# Altium PCB S6.PcbDoc (part 3 of 14)
Units mil, origin at the board's own origin, x right, y up, seen from the top; angles counter-clockwise.
Board outline 5250 x 2929.55 mil, 6 copper layers (Top Layer, Mid-Layer 2, Mid-Layer 4, Mid-Layer 3, Mid-Layer 1, Bottom Layer); 345 components, 365 nets, 2233 pads, 960 vias.
Unrouted connection lines stored in the file: 1.
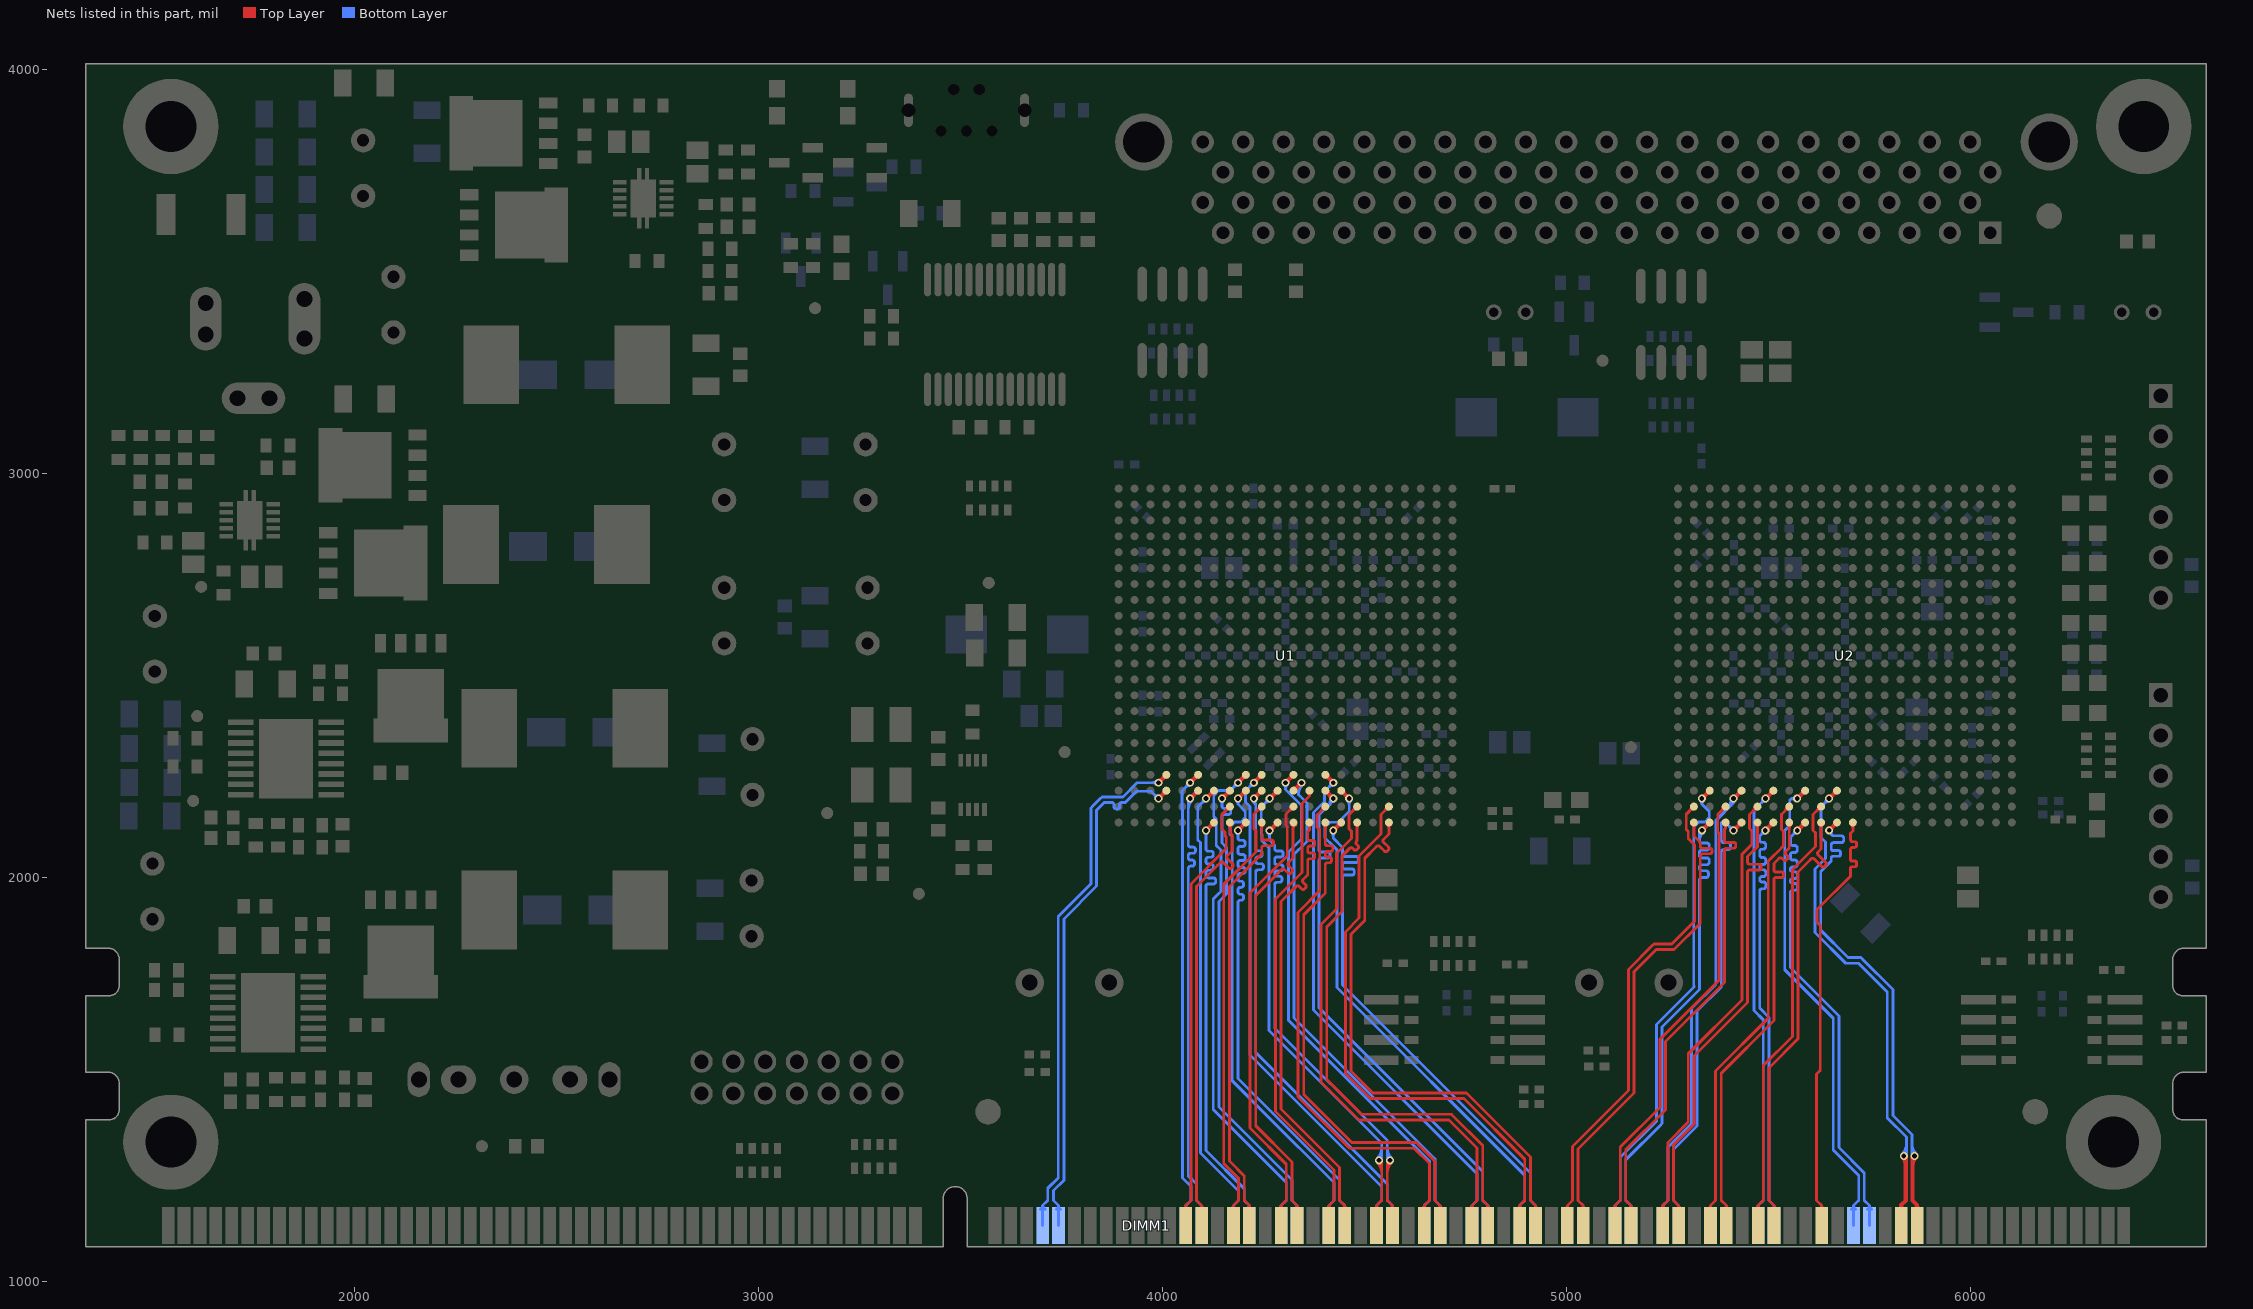
[diagram p7: the nets of this part, all layers, seen from the top]

## Via types
v1: diameter 19.68, hole 11.81, Top Layer to Bottom Layer, tented both sides, 469 vias
v2: diameter 32, hole 18, Top Layer to Bottom Layer, tented both sides, 257 vias
v3: diameter 22, hole 12, Top Layer to Bottom Layer, tented both sides, 185 vias
v4: diameter 25.59, hole 12.99, Top Layer to Bottom Layer, tented bottom, 16 vias
v5: diameter 50, hole 28, Top Layer to Bottom Layer, tented both sides, 15 vias
v6: diameter 23.62, hole 11.81, Top Layer to Bottom Layer, tented bottom, 10 vias
v7: diameter 20, hole 12, Top Layer to Bottom Layer, tented both sides, 5 vias
v8: diameter 21.65, hole 11.81, Top Layer to Bottom Layer, tented both sides, 2 vias
v9: diameter 39.37, hole 39.37, Top Layer to Bottom Layer, 1 vias

## Nets (pads, with @x,y where several pads share a name; then routed paths per layer and width w, separated by ;. In a path a pad name is that pad's centre, name@x,y a point inside that pad or via, vN(x,y) a via of type N, cw(c..) or ccw(c..) an arc to the next point about the centre after c; other vN are vias at no path point) (continued)
DIMM_FPGA1_6_N: DIMM1.185 U1.AB7 | length 1222.9
  Top Layer w10: v1(4108,2116.78) U1.AB7@4127.83,2136.61 ; v1@4108,2121.62 ccw(c4108,2133.31) 4116.27,2125.05 ccw(c4124.53,2116.78) v1@4112.84,2116.78 ; U1.AB7@4122.99,2136.61 cw(c4111.3,2136.61) 4119.57,2128.35 cw(c4127.83,2120.08) U1.AB7@4127.83,2131.77
  Bottom Layer w7: v1@4103.52,2112.29 cw(c4092.69,2101.47) 4108,2101.47 cw(c4123.31,2101.47) v1@4112.48,2112.29 ; v1(4108,2116.78) 4108,2073 4108,2071.5 ccw(c4114,2071.5) 4114,2065.5 4120,2065.5 cw(c4120,2059.5) 4126,2059.5 4126,2056.5 cw(c4120,2056.5) 4120,2050.5 4114,2050.5 ccw(c4114,2044.5) 4108,2044.5 4108,2041 4108,2039.5 ccw(c4114,2039.5) 4114,2033.5 4120,2033.5 cw(c4120,2027.5) 4126,2027.5 4126,2024.5 cw(c4120,2024.5) 4120,2018.5 4114,2018.5 ccw(c4114,2012.5) 4108,2012.5 4108,2007 4108,2005.5 ccw(c4114,2005.5) 4114,1999.5 4126.11,1999.5 cw(c4126.11,1993.5) 4132.11,1993.5 4132.11,1990.5 cw(c4126.11,1990.5) 4126.11,1984.5 4114,1984.5 ccw(c4114,1978.5) 4108,1978.5 4108,1975 4108,1324.41 4202.61,1229.8 4202.61,1200.68 4215.3,1188 ; DIMM1.185@4209.8,1179.07 ccw(c4205.3,1188) 4215.3,1188 ; DIMM1.185@4215.3,1138.6 4215.3,1188 ; DIMM1.185@4220.8,1179.07 cw(c4225.3,1188) 4215.3,1188
DIMM_FPGA1_6_P: DIMM1.184 U1.Y7 | length 1223.3
  Top Layer w10: v1(4108.15,2195.67) U1.Y7@4127.83,2215.35 ; v1@4108.15,2200.51 ccw(c4108.15,2212.2) 4116.42,2203.94 ccw(c4124.68,2195.67) v1@4112.99,2195.67 ; U1.Y7@4122.99,2215.35 cw(c4111.3,2215.35) 4119.57,2207.09 cw(c4127.83,2198.82) U1.Y7@4127.83,2210.51
  Bottom Layer w7: v1@4101.81,2195.67 cw(c4086.49,2195.67) 4097.32,2184.84 cw(c4108.15,2174.01) v1@4108.15,2189.33 ; v1(4108.15,2195.67) 4087.66,2175.18 4087.66,2093.34 4094,2087 4094,1318.62 4188.61,1224 4188.61,1200.68 4175.93,1188 ; DIMM1.184@4170.43,1179.07 ccw(c4165.93,1188) 4175.93,1188 ; DIMM1.184@4175.93,1138.6 4175.93,1188 ; DIMM1.184@4181.43,1179.07 cw(c4185.93,1188) 4175.93,1188
DIMM_FPGA1_7_N: DIMM1.62 U1.AB8 | length 1137.1
  Top Layer w7: DIMM1.62@4091.69,1179.07 ccw(c4087.19,1188) 4097.19,1188 ; DIMM1.62@4097.19,1138.6 4097.19,1188 ; DIMM1.62@4102.69,1179.07 cw(c4107.19,1188) 4097.19,1188 ; U1.AB8@4162.72,2132.13 cw(c4148.39,2117.79) 4168.66,2117.79 ; U1.AB8@4167.2,2136.61 4168.66,2135.16 4168.66,2109.44 4172,2106.1 4172,2087 4172,2080 4172,2066 4167.05,2061.05 4160.62,2054.62 ccw(c4164.08,2051.15) 4160.62,2047.69 4174.16,2034.14 cw(c4170.7,2030.67) 4174.16,2027.21 4171.19,2024.24 cw(c4167.73,2027.71) 4164.26,2024.24 4150.72,2037.79 ccw(c4147.25,2034.32) 4143.79,2037.79 4136.5,2030.5 4084.51,1978.51 4084.51,1200.68 4097.19,1188 ; 4168.66,2124.81 cw(c4179.01,2124.81) U1.AB8@4171.69,2132.13
DIMM_FPGA1_7_P: DIMM1.61 U1.AA8 | length 1138
  Top Layer w7: DIMM1.61@4052.32,1179.07 ccw(c4047.82,1188) 4057.82,1188 ; DIMM1.61@4057.82,1138.6 4057.82,1188 ; DIMM1.61@4063.32,1179.07 cw(c4067.82,1188) 4057.82,1188 ; U1.AA8@4160.86,2175.98 cw(c4145.55,2175.98) 4156.38,2165.16 cw(c4167.2,2154.33) U1.AA8@4167.2,2169.64 ; U1.AA8@4167.2,2175.98 4147,2155.78 4147,2120.66 4154.66,2113 4154.66,2103.64 4158,2100.3 4158,2071.8 4070.51,1984.3 4070.51,1200.68 4057.82,1188
DIMM_FPGA1_8_N: DIMM1.191 U1.AB9 | length 1312.8
  Top Layer w10: v1(4187,2117.04) U1.AB9@4206.57,2136.61 ; v1@4187,2121.88 ccw(c4187,2133.57) 4195.27,2125.31 ccw(c4203.53,2117.04) v1@4191.84,2117.04 ; U1.AB9@4201.73,2136.61 cw(c4190.04,2136.61) 4198.31,2128.35 cw(c4206.57,2120.08) U1.AB9@4206.57,2131.77
  Bottom Layer w7: v1@4182.52,2112.55 cw(c4171.69,2101.73) 4187,2101.73 cw(c4202.31,2101.73) v1@4191.48,2112.55 ; 4187,1968.25 4187,1966.5 ; v1(4187,2117.04) 4187,2100 4187,2098.5 ccw(c4193,2098.5) 4193,2092.5 4199,2092.5 cw(c4199,2086.5) 4205,2086.5 4205,2083.5 cw(c4199,2083.5) 4199,2077.5 4193,2077.5 ccw(c4193,2071.5) 4187,2071.5 4187,2065 4187,2063.5 ccw(c4193,2063.5) 4193,2057.5 4199,2057.5 cw(c4199,2051.5) 4205,2051.5 4205,2048.5 cw(c4199,2048.5) 4199,2042.5 4193,2042.5 ccw(c4193,2036.5) 4187,2036.5 4187,2033 4187,2031.5 ccw(c4193,2031.5) 4193,2025.5 4199,2025.5 cw(c4199,2019.5) 4205,2019.5 4205,2016.5 cw(c4199,2016.5) 4199,2010.5 4193,2010.5 ccw(c4193,2004.5) 4187,2004.5 4187,1997 ccw(c4193,1997) 4193,1991 4195,1991 cw(c4195,1985) 4201,1985 4201,1982 cw(c4195,1982) 4195,1976 4193,1976 ccw(c4193,1970) 4187,1970 4187,1966.5 ; DIMM1.191@4446.02,1179.07 ccw(c4441.52,1188) 4451.52,1188 ; DIMM1.191@4451.52,1138.6 4451.52,1188 ; DIMM1.191@4457.02,1179.07 cw(c4461.52,1188) 4451.52,1188 ; 4187,1966.5 4187,1965 ccw(c4193,1965) 4193,1959 4195,1959 cw(c4195,1953) 4201,1953 4201,1950 cw(c4195,1950) 4195,1944 4193,1944 ccw(c4193,1938) 4187,1938 4187,1925 4187,1502.8 4438.84,1250.96 4438.84,1200.68 4451.52,1188
DIMM_FPGA1_8_P: DIMM1.190 U1.Y9 | length 1308
  Top Layer w10: v1(4186.89,2195.67) U1.Y9@4206.57,2215.35 ; v1@4186.89,2200.51 ccw(c4186.89,2212.2) 4195.16,2203.94 ccw(c4203.42,2195.67) v1@4191.73,2195.67 ; U1.Y9@4201.73,2215.35 cw(c4190.04,2215.35) 4198.31,2207.09 cw(c4206.57,2198.82) U1.Y9@4206.57,2210.51
  Bottom Layer w7: v1@4182.86,2190.77 cw(c4175.84,2182.24) 4186.89,2182.24 ; v1(4186.89,2195.67) 4186.89,2182.24 ; v1@4190.92,2190.77 ccw(c4197.94,2182.24) 4186.89,2182.24 ; DIMM1.190@4406.65,1179.07 ccw(c4402.15,1188) 4412.15,1188 ; DIMM1.190@4412.15,1138.6 4412.15,1188 ; DIMM1.190@4417.65,1179.07 cw(c4422.15,1188) 4412.15,1188 ; 4186.89,2182.24 4205.23,2163.9 4205.23,2148.7 4194.49,2137.96 4179.15,2137.96 4166.66,2125.47 4166.66,2108.61 4173,2102.27 4173,1497 4252,1418 4424.84,1245.16 4424.84,1200.68 4412.15,1188
DIMM_FPGA1_9_N: DIMM1.65 U1.AB10 | length 1147.1
  Top Layer w7: DIMM1.65@4209.8,1179.07 ccw(c4205.3,1188) 4215.3,1188 ; DIMM1.65@4215.3,1138.6 4215.3,1188 ; DIMM1.65@4220.8,1179.07 cw(c4225.3,1188) 4215.3,1188 ; U1.AB10@4241.46,2132.13 cw(c4230.63,2121.3) 4245.94,2121.3 cw(c4261.26,2121.3) U1.AB10@4250.43,2132.13 ; U1.AB10@4245.94,2136.61 4245.94,2131.3 4245.94,2097.84 ccw(c4250.84,2097.84) 4250.84,2092.94 4269.98,2092.94 cw(c4269.98,2088.04) 4274.88,2088.04 4274.88,2083.84 cw(c4269.98,2083.84) 4269.98,2078.94 4250.84,2078.94 ccw(c4250.84,2074.04) 4245.94,2074.04 4245.94,2064.94 4245.94,2057.94 4238.35,2050.35 4228.45,2040.45 4223.5,2035.5 4166,1978 4166,1298 4202.61,1261.38 4202.61,1200.68 4215.3,1188
DIMM_FPGA1_9_P: DIMM1.64 U1.AA10 | length 1147.8
  Top Layer w7: DIMM1.64@4170.43,1179.07 ccw(c4165.93,1188) 4175.93,1188 ; DIMM1.64@4175.93,1138.6 4175.93,1188 ; DIMM1.64@4181.43,1179.07 cw(c4185.93,1188) 4175.93,1188 ; U1.AA10@4239.6,2175.98 cw(c4224.29,2175.98) 4235.12,2165.16 cw(c4245.94,2154.33) U1.AA10@4245.94,2169.64 ; U1.AA10@4245.94,2175.98 4226,2156.04 4226,2121.94 4231.94,2116 4231.94,2063.74 4152,1983.8 4152,1292.2 4188.61,1255.59 4188.61,1200.68 4175.93,1188
DIMM_FPGA1_10_N: DIMM1.74 U1.AB11 | length 1399.5
  Top Layer w7: 4556.94,1269.38 cw(c4593.91,1269.38) v1@4567.77,1295.52 ; 4556.95,1286.28 cw(c4577.01,1286.28) v1@4562.82,1300.46 ; v1(4563.29,1300) 4556.94,1293.66 4556.94,1200.68 4569.63,1188 ; DIMM1.74@4564.13,1179.07 ccw(c4559.63,1188) 4569.63,1188 ; DIMM1.74@4569.63,1138.6 4569.63,1188 ; DIMM1.74@4575.13,1179.07 cw(c4579.63,1188) 4569.63,1188
  Top Layer w10: v1(4265,2116.3) U1.AB11@4285.31,2136.61 ; v1@4265,2121.14 ccw(c4265,2132.83) 4273.27,2124.57 ccw(c4281.53,2116.3) v1@4269.84,2116.3 ; U1.AB11@4280.47,2136.61 cw(c4268.78,2136.61) 4277.05,2128.35 cw(c4285.31,2120.08) U1.AB11@4285.31,2131.77
  Bottom Layer w7: v1@4260.52,2111.81 cw(c4249.93,2101.23) 4264.9,2101.23 ; 4264.9,2100.74 cw(c4280.55,2100.74) v1@4269.48,2111.81 ; v1(4265,2116.3) 4264.9,2116.2 4264.9,2092.9 4278,2079.8 4278,2072.3 ccw(c4284,2072.3) 4284,2066.3 4293,2066.3 cw(c4293,2060.3) 4299,2060.3 4299,2057.3 cw(c4293,2057.3) 4293,2051.3 4284,2051.3 ccw(c4284,2045.3) 4278,2045.3 4278,2038 ccw(c4284,2038) 4284,2032 4293,2032 cw(c4293,2026) 4299,2026 4299,2023 cw(c4293,2023) 4293,2017 4284,2017 ccw(c4284,2011) 4278,2011 4278,2009.5 ccw(c4284,2009.5) 4284,2003.5 4289.98,2003.5 cw(c4289.98,1997.5) 4295.98,1997.5 4295.98,1994.5 cw(c4289.98,1994.5) 4289.98,1988.5 4284,1988.5 ccw(c4284,1982.5) 4278,1982.5 4278,1976 4278,1627.74 4556.94,1348.8 4556.94,1306.34 v1(4563.29,1300) ; 4556.95,1313.72 ccw(c4577.01,1313.72) v1@4562.82,1299.54 ; 4556.94,1330.62 ccw(c4593.91,1330.62) v1@4567.77,1304.48
DIMM_FPGA1_10_P: DIMM1.73 U1.Y11 | length 1400.1
  Top Layer w7: DIMM1.73@4524.76,1179.07 ccw(c4520.26,1188) 4530.26,1188 ; DIMM1.73@4530.26,1138.6 4530.26,1188 ; v1@4532.12,1295.52 cw(c4505.98,1269.38) 4542.94,1269.38 ; DIMM1.73@4535.76,1179.07 cw(c4540.26,1188) 4530.26,1188 ; v1(4536.6,1300) 4542.94,1293.66 4542.94,1200.68 4530.26,1188 ; v1@4537.07,1300.46 cw(c4522.88,1286.28) 4542.94,1286.28
  Top Layer w10: v1(4265.63,2195.67) U1.Y11@4285.31,2215.35 ; v1@4265.63,2200.51 ccw(c4265.63,2212.2) 4273.9,2203.94 ccw(c4282.16,2195.67) v1@4270.47,2195.67 ; U1.Y11@4280.47,2215.35 cw(c4268.78,2215.35) 4277.05,2207.09 cw(c4285.31,2198.82) U1.Y11@4285.31,2210.51
  Bottom Layer w7: v1@4259.29,2195.67 cw(c4243.98,2195.67) 4254.8,2184.84 cw(c4265.63,2174.01) v1@4265.63,2189.33 ; v1(4265.63,2195.67) 4244.66,2174.7 4244.66,2107.87 4246.52,2106.02 4246.52,2091.48 4264,2074 4264,1621.94 4542.94,1343 4542.94,1306.34 v1(4536.6,1300) ; v1@4532.12,1304.48 ccw(c4505.98,1330.62) 4542.94,1330.62 ; v1@4537.07,1299.54 ccw(c4522.88,1313.72) 4542.94,1313.72
DIMM_FPGA1_11_N: DIMM1.68 U1.AB12 | length 1172.1
  Top Layer w7: U1.AB12@4320.2,2132.13 cw(c4312.61,2124.54) 4323.34,2124.54 ; 4323.34,2118.06 cw(c4343.24,2118.06) U1.AB12@4329.17,2132.13 ; DIMM1.68@4327.91,1179.07 ccw(c4323.41,1188) 4333.41,1188 ; U1.AB12@4331,2130.3 U1.AB12@4324.69,2136.61 4321.61,2133.54 4323.34,2131.82 4323.34,2048.34 4318.39,2043.39 4311.96,2036.96 ccw(c4315.42,2033.49) 4311.96,2030.03 4320.87,2021.12 cw(c4317.41,2017.65) 4320.87,2014.19 4317.9,2011.22 cw(c4314.44,2014.68) 4310.97,2011.22 4302.06,2020.13 ccw(c4298.59,2016.66) 4295.13,2020.13 4283.5,2008.5 4231,1956 4231,1385.8 4320.73,1296.07 4320.73,1200.68 4333.41,1188 ; DIMM1.68@4333.41,1138.6 4333.41,1188 ; DIMM1.68@4338.91,1179.07 cw(c4343.41,1188) 4333.41,1188
DIMM_FPGA1_11_P: DIMM1.67 U1.AA12 | length 1173
  Top Layer w7: DIMM1.67@4288.54,1179.07 ccw(c4284.04,1188) 4294.04,1188 ; DIMM1.67@4294.04,1138.6 4294.04,1188 ; DIMM1.67@4299.54,1179.07 cw(c4304.04,1188) 4294.04,1188 ; U1.AA12@4318.34,2175.98 cw(c4303.03,2175.98) 4313.86,2165.16 cw(c4324.69,2154.33) U1.AA12@4324.69,2169.64 ; U1.AA12@4324.69,2175.98 4306.34,2157.64 4306.34,2129.02 4309.34,2126.02 4309.34,2054.14 4217,1961.8 4217,1380 4306.73,1290.28 4306.73,1200.68 4294.04,1188
DIMM_FPGA1_12_N: DIMM1.71 U1.AB13 | length 1222.1
  Top Layer w7: U1.AB13@4359.57,2132.13 cw(c4348.74,2121.3) 4364.06,2121.3 cw(c4379.37,2121.3) U1.AB13@4368.54,2132.13 ; U1.AB13@4364.06,2136.61 4364.06,2118.06 4359.71,2113.71 4359.71,2099 4359.71,2096.9 ccw(c4364.61,2096.9) 4364.61,2092 4372.53,2092 cw(c4372.53,2087.1) 4377.43,2087.1 4377.43,2082.9 cw(c4372.53,2082.9) 4372.53,2078 4364.61,2078 ccw(c4364.61,2073.1) 4359.71,2073.1 4359.71,2068 4359.71,2065.9 ccw(c4364.61,2065.9) 4364.61,2061 4372.53,2061 cw(c4372.53,2056.1) 4377.43,2056.1 4377.43,2051.9 cw(c4372.53,2051.9) 4372.53,2047 4364.61,2047 ccw(c4364.61,2042.1) 4359.71,2042.1 4359.71,2039 4359.71,2006.91 4354.76,2001.96 4348.33,1995.53 ccw(c4351.79,1992.06) 4348.33,1988.6 4354.87,1982.06 cw(c4351.4,1978.59) 4354.87,1975.13 4351.9,1972.16 cw(c4348.43,1975.62) 4344.97,1972.16 4338.43,1978.7 ccw(c4334.96,1975.24) 4331.5,1978.7 4294,1941.2 4294,1426.8 4438.84,1281.96 4438.84,1200.68 4451.52,1188 ; DIMM1.71@4446.02,1179.07 ccw(c4441.52,1188) 4451.52,1188 ; DIMM1.71@4451.52,1138.6 4451.52,1188 ; DIMM1.71@4457.02,1179.07 cw(c4461.52,1188) 4451.52,1188
DIMM_FPGA1_12_P: DIMM1.70 U1.Y13 | length 1218.4
  Top Layer w7: U1.Y13@4360.03,2210.46 cw(c4353.01,2201.93) 4364.06,2201.93 cw(c4375.1,2201.93) U1.Y13@4368.08,2210.46 ; U1.Y13@4364.06,2215.35 4364.06,2201.92 4345.71,2183.58 4345.71,2012.71 4280,1947 4280,1421 4424.84,1276.16 4424.84,1200.68 4412.15,1188 ; DIMM1.70@4406.65,1179.07 ccw(c4402.15,1188) 4412.15,1188 ; DIMM1.70@4412.15,1138.6 4412.15,1188 ; DIMM1.70@4417.65,1179.07 cw(c4422.15,1188) 4412.15,1188
DIMM_FPGA1_13_N: DIMM1.173 U1.Y4 | length 1390.4
  Top Layer w10: v1(3990.04,2195.67) U1.Y4@4009.72,2215.35 ; v1@3990.04,2200.51 ccw(c3990.04,2212.2) 3998.31,2203.94 ccw(c4006.57,2195.67) v1@3994.88,2195.67 ; U1.Y4@4004.88,2215.35 cw(c3993.19,2215.35) 4001.46,2207.09 cw(c4009.72,2198.82) U1.Y4@4009.72,2210.51
  Bottom Layer w7: DIMM1.173@3737.36,1179.07 ccw(c3732.86,1188) 3742.86,1188 ; DIMM1.173@3742.86,1138.6 3742.86,1188 ; DIMM1.173@3748.36,1179.07 cw(c3752.86,1188) 3742.86,1188 ; v1@3983.7,2195.67 ccw(c3968.38,2195.67) 3979.21,2206.5 ccw(c3990.04,2217.32) v1@3990.04,2202.01 ; v1(3990.04,2195.67) 3971.7,2214.01 3936.01,2214.01 3908,2186 3899.6,2186 ccw(c3899.6,2180.4) 3894,2180.4 3894,2175.95 cw(c3888.4,2175.95) 3888.4,2170.35 3885.6,2170.35 cw(c3885.6,2175.95) 3880,2175.95 3880,2180.4 ccw(c3874.4,2180.4) 3874.4,2186 3856,2186 3837,2167 3837,1979 3756,1898 3756,1250.83 3730.18,1225 3730.18,1200.68 3742.86,1188
DIMM_FPGA1_13_P: DIMM1.172 U1.W4 | length 1387.2
  Top Layer w10: v1(3990.04,2235.04) U1.W4@4009.72,2254.72 ; v1@3990.04,2239.88 ccw(c3990.04,2251.57) 3998.31,2243.31 ccw(c4006.57,2235.04) v1@3994.88,2235.04 ; U1.W4@4004.88,2254.72 cw(c3993.19,2254.72) 4001.46,2246.46 cw(c4009.72,2238.19) U1.W4@4009.72,2249.88
  Bottom Layer w7: DIMM1.172@3697.99,1179.07 ccw(c3693.49,1188) 3703.49,1188 ; DIMM1.172@3703.49,1138.6 3703.49,1188 ; DIMM1.172@3708.99,1179.07 cw(c3713.49,1188) 3703.49,1188 ; v1@3985.55,2230.55 ccw(c3974.73,2219.73) 3974.73,2235.04 ccw(c3974.73,2250.35) v1@3985.55,2239.52 ; v1(3990.04,2235.04) 3937.24,2235.04 3902.2,2200 3850.2,2200 3846.1,2195.9 3827.1,2176.9 3823,2172.8 3823,1984.8 3742,1903.8 3742,1256.62 3716.18,1230.8 3716.18,1200.68 3703.49,1188
DIMM_FPGA1_14_N: DIMM1.182 U1.Y6 | length 1242.2
  Top Layer w10: v1(4068.78,2195.67) U1.Y6@4088.46,2215.35 ; v1@4068.78,2200.51 ccw(c4068.78,2212.2) 4077.05,2203.94 ccw(c4085.31,2195.67) v1@4073.62,2195.67 ; U1.Y6@4083.62,2215.35 cw(c4071.93,2215.35) 4080.2,2207.09 cw(c4088.46,2198.82) U1.Y6@4088.46,2210.51
  Bottom Layer w7: 4064,2168.82 cw(c4095.63,2168.82) v1@4073.26,2191.18 ; 4064,2185.72 cw(c4078.73,2185.72) v1@4068.31,2196.13 ; v1(4068.78,2195.67) 4064,2190.89 4064,2083 4064,2081.5 ccw(c4070,2081.5) 4070,2075.5 4076,2075.5 cw(c4076,2069.5) 4082,2069.5 4082,2066.5 cw(c4076,2066.5) 4076,2060.5 4070,2060.5 ccw(c4070,2054.5) 4064,2054.5 4064,2051 4064,2049.5 ccw(c4070,2049.5) 4070,2043.5 4073.48,2043.5 cw(c4073.48,2037.5) 4079.48,2037.5 4079.48,2034.5 cw(c4073.48,2034.5) 4073.48,2028.5 4070,2028.5 ccw(c4070,2022.5) 4064,2022.5 4064,2012 4064,1262 4084.51,1241.49 4084.51,1200.68 4097.19,1188 ; DIMM1.182@4091.69,1179.07 ccw(c4087.19,1188) 4097.19,1188 ; DIMM1.182@4097.19,1138.6 4097.19,1188 ; DIMM1.182@4102.69,1179.07 cw(c4107.19,1188) 4097.19,1188
DIMM_FPGA1_14_P: DIMM1.181 U1.W6 | length 1230
  Top Layer w10: v1(4068.78,2235.04) U1.W6@4088.46,2254.72 ; v1@4068.78,2239.88 ccw(c4068.78,2251.57) 4077.05,2243.31 ccw(c4085.31,2235.04) v1@4073.62,2235.04 ; U1.W6@4083.62,2254.72 cw(c4071.93,2254.72) 4080.2,2246.46 cw(c4088.46,2238.19) U1.W6@4088.46,2249.88
  Bottom Layer w7: DIMM1.181@4052.32,1179.07 ccw(c4047.82,1188) 4057.82,1188 ; DIMM1.181@4057.82,1138.6 4057.82,1188 ; v1@4062.44,2235.04 cw(c4047.12,2235.04) 4057.95,2224.21 cw(c4068.78,2213.38) v1@4068.78,2228.7 ; DIMM1.181@4063.32,1179.07 cw(c4067.82,1188) 4057.82,1188 ; v1(4068.78,2235.04) 4048.44,2214.7 4048.44,2170.56 4050,2169 4050,1256.2 4070.51,1235.7 4070.51,1200.68 4057.82,1188
DIMM_FPGA1_15_N: DIMM1.188 U1.Y8 | length 1294
  Top Layer w10: v1(4147.52,2195.67) U1.Y8@4167.2,2215.35 ; v1@4147.52,2200.51 ccw(c4147.52,2212.2) 4155.79,2203.94 ccw(c4164.05,2195.67) v1@4152.36,2195.67 ; U1.Y8@4162.36,2215.35 cw(c4150.67,2215.35) 4158.94,2207.09 cw(c4167.2,2198.82) U1.Y8@4167.2,2210.51
  Bottom Layer w7: v1@4143.03,2191.18 cw(c4132.21,2180.36) 4147.52,2180.36 cw(c4162.83,2180.36) v1@4152,2191.18 ; v1(4147.52,2195.67) 4147.52,2177.5 ccw(c4153.52,2177.5) 4153.52,2171.5 4163.35,2171.5 cw(c4163.35,2165.5) 4169.35,2165.5 4169.35,2162.5 cw(c4163.35,2162.5) 4163.35,2156.5 4153.52,2156.5 ccw(c4153.52,2150.5) 4147.52,2150.5 4147.52,2085.48 4159,2074 4159.1,2073.9 4159.1,1960.3 4140,1941.2 4140,1431.8 4320.73,1251.07 4320.73,1200.68 4333.41,1188 ; DIMM1.188@4327.91,1179.07 ccw(c4323.41,1188) 4333.41,1188 ; DIMM1.188@4333.41,1138.6 4333.41,1188 ; DIMM1.188@4338.91,1179.07 cw(c4343.41,1188) 4333.41,1188
DIMM_FPGA1_15_P: DIMM1.187 U1.W9 | length 1344.2
  Top Layer w10: v1(4186.89,2235.04) U1.W9@4206.57,2254.72 ; v1@4186.89,2239.88 ccw(c4186.89,2251.57) 4195.16,2243.31 ccw(c4203.42,2235.04) v1@4191.73,2235.04 ; U1.W9@4201.73,2254.72 cw(c4190.04,2254.72) 4198.31,2246.46 cw(c4206.57,2238.19) U1.W9@4206.57,2249.88
  Bottom Layer w7: v1@4180.55,2235.04 cw(c4165.24,2235.04) 4176.06,2224.21 cw(c4186.89,2213.38) v1@4186.89,2228.7 ; v1(4186.89,2235.04) 4167.86,2216.01 4139.09,2216.01 4127.18,2204.1 4127.18,2151.8 4133.52,2145.46 4133.52,2079.68 4145.1,2068.1 4145.1,1966.1 4139,1960 4126,1947 4126,1426 4184,1368 4306.73,1245.28 4306.73,1200.68 4294.04,1188 ; DIMM1.187@4288.54,1179.07 ccw(c4284.04,1188) 4294.04,1188 ; DIMM1.187@4294.04,1138.6 4294.04,1188 ; DIMM1.187@4299.54,1179.07 cw(c4304.04,1188) 4294.04,1188
DIMM_FPGA1_16_N: DIMM1.194 U1.Y10 | length 1346.5
  Top Layer w10: v1(4226.26,2195.67) U1.Y10@4245.94,2215.35 ; v1@4226.26,2200.51 ccw(c4226.26,2212.2) 4234.53,2203.94 ccw(c4242.79,2195.67) v1@4231.1,2195.67 ; U1.Y10@4241.1,2215.35 cw(c4229.41,2215.35) 4237.68,2207.09 cw(c4245.94,2198.82) U1.Y10@4245.94,2210.51
  Bottom Layer w7: v1(4226.26,2195.67) 4226.26,2186.7 4231.23,2181.73 ; v1@4230.97,2191.43 ccw(c4236.22,2186.71) 4231.23,2181.73 ; DIMM1.194@4564.13,1179.07 ccw(c4559.63,1188) 4569.63,1188 ; DIMM1.194@4569.63,1138.6 4569.63,1188 ; DIMM1.194@4575.13,1179.07 cw(c4579.63,1188) 4569.63,1188 ; 4231.23,2181.73 4231.23,2137.93 4231,2137.7 4231,2074 4231,2072.5 ccw(c4237,2072.5) 4237,2066.5 4241,2066.5 cw(c4241,2060.5) 4247,2060.5 4247,2057.5 cw(c4241,2057.5) 4241,2051.5 4237,2051.5 ccw(c4237,2045.5) 4231,2045.5 4231,2042 4231,2040.5 ccw(c4237,2040.5) 4237,2034.5 4244.14,2034.5 cw(c4244.14,2028.5) 4250.14,2028.5 4250.14,2025.5 cw(c4244.14,2025.5) 4244.14,2019.5 4237,2019.5 ccw(c4237,2013.5) 4231,2013.5 4231,2005 4231,1622 4231,1566.8 4556.94,1240.85 4556.94,1200.68 4569.63,1188
DIMM_FPGA1_16_P: DIMM1.193 U1.W10 | length 1360.6
  Top Layer w10: v1(4226.26,2235.04) U1.W10@4245.94,2254.72 ; v1@4226.26,2239.88 ccw(c4226.26,2251.57) 4234.53,2243.31 ccw(c4242.79,2235.04) v1@4231.1,2235.04 ; U1.W10@4241.1,2254.72 cw(c4229.41,2254.72) 4237.68,2246.46 cw(c4245.94,2238.19) U1.W10@4245.94,2249.88
  Bottom Layer w7: v1@4219.92,2235.04 cw(c4204.61,2235.04) 4215.43,2224.21 cw(c4226.26,2213.38) v1@4226.26,2228.7 ; v1(4226.26,2235.04) 4205.92,2214.7 4205.92,2187.24 4217.23,2175.93 4217.23,2143.73 4217,2143.5 4217,1622 4217,1561 4542.94,1235.06 4542.94,1200.68 4530.26,1188 ; DIMM1.193@4524.76,1179.07 ccw(c4520.26,1188) 4530.26,1188 ; DIMM1.193@4530.26,1138.6 4530.26,1188 ; DIMM1.193@4535.76,1179.07 cw(c4540.26,1188) 4530.26,1188
DIMM_FPGA1_17_N: DIMM1.197 U1.Y12 | length 1404.2
  Top Layer w10: U1.Y12@4324.69,2215.35 v1(4344.37,2235.04) ; U1.Y12@4324.69,2220.2 ccw(c4324.69,2231.89) 4332.95,2223.62 ccw(c4341.22,2215.35) U1.Y12@4329.53,2215.35 ; v1@4339.53,2235.04 cw(c4327.84,2235.04) 4336.1,2226.77 cw(c4344.37,2218.51) v1@4344.37,2230.2
  Bottom Layer w7: 4336.9,2204.96 cw(c4370.22,2204.96) v1@4348.5,2230.23 ; 4336.9,2220.2 cw(c4357.12,2220.2) v1@4343.94,2235.54 ; v1(4344.37,2235.04) 4336.9,2227.57 4336.9,2205.9 4354,2188.8 4358.1,2184.7 4358.1,2090.1 4354,2086 4326,2058 4326,1652.8 4675.06,1303.74 4675.06,1200.68 4687.74,1188 ; DIMM1.197@4682.24,1179.07 ccw(c4677.74,1188) 4687.74,1188 ; DIMM1.197@4687.74,1138.6 4687.74,1188 ; DIMM1.197@4693.24,1179.07 cw(c4697.74,1188) 4687.74,1188